# Altium PCB PCB_ESP_Dent.PcbDoc (part 2 of 2)
Units mil, origin at the board's own origin, x right, y up, seen from the top; angles counter-clockwise.
Board outline 3540 x 920 mil, 4 copper layers (L1, L2, L3, L4), stack 61.583 mil thick; 89 components, 67 nets, 316 pads, 178 vias.
Unrouted connection lines stored in the file: 1.
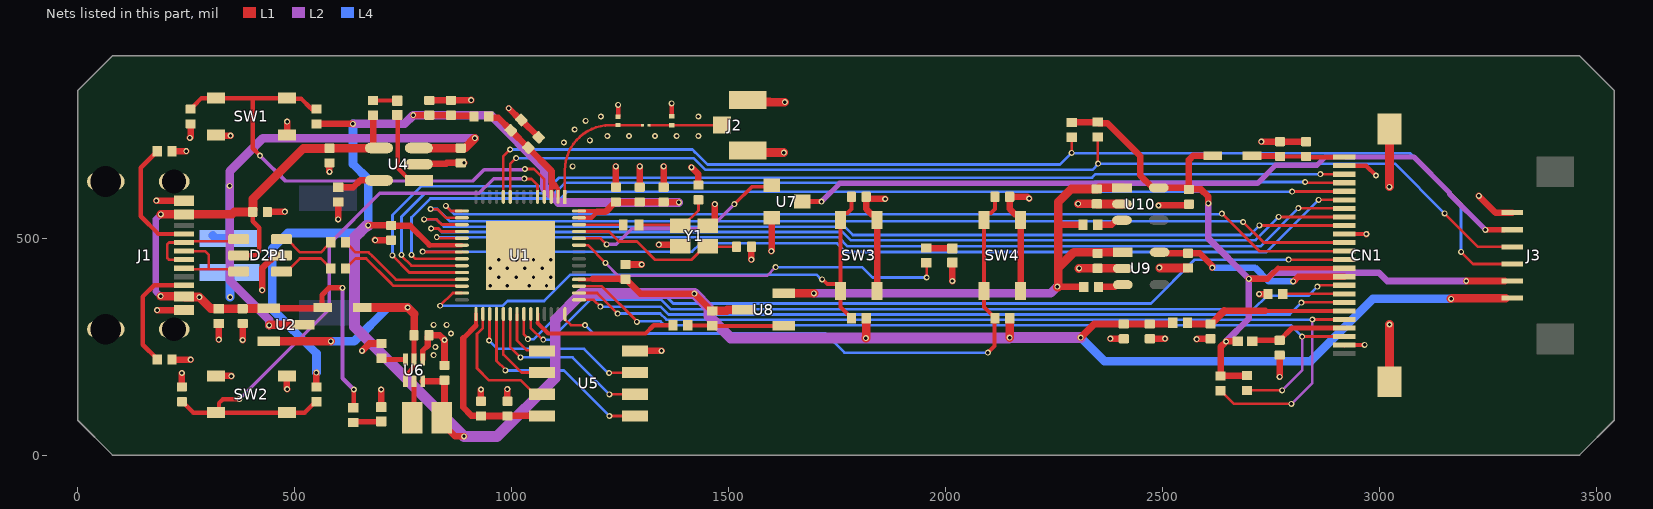
[diagram p4: the nets of this part, all layers, seen from the top]

## Part data (continued)
Y1: "Crystal, Quartz, 40 MHz, SMD, 2.5mm x 2mm x 0.6mm, 10 ppm, 8 pF, 10 ppm, ABM10W", ESR (Equivalent Series Resistance)=40Ω, Frequency=40MHz, Frequency Stability=10ppm, Frequency Tolerance=0.001%, LCSC Part No.=C1985328, Load Capacitance=8pF, Manufacturer=Abracon, Max Operating Temperature=70°C, Min Operating Temperature=-20°C, Supplier Part Number=535-13794-1-ND, Category=Crystals, China RoHS=Compliant, ComponentLink1Description=https://datasheet.octopart.com:443/ABM10W-40.0000MHZ-8-B1U-T3-Abracon-datasheet-182204671.pdf?src-supplier=IHS, ComponentLink1URL=https://datasheet.octopart.com:443/ABM10W-40.0000MHZ-8-B1U-T3-Abracon-datasheet-182204671.pdf?src-supplier=IHS, ComponentLink2Description=https://datasheet.octopart.com:443/ABM10W-40.0000MHZ-8-B1U-T3-Abracon-datasheet-104271056.pdf?src-supplier=Future+Electronics, ComponentLink2URL=https://datasheet.octopart.com:443/ABM10W-40.0000MHZ-8-B1U-T3-Abracon-datasheet-104271056.pdf?src-supplier=Future+Electronics, ComponentLink3Description=https://datasheet.octopart.com:443/ABM10W-40.0000MHZ-8-B1U-T3-Abracon-datasheet-101965223.pdf?src-supplier=Abracon+SCT, ComponentLink3URL=https://datasheet.octopart.com:443/ABM10W-40.0000MHZ-8-B1U-T3-Abracon-datasheet-101965223.pdf?src-supplier=Abracon+SCT, ComponentLink4Description=https://sigma.octopart.com:443/141159856/technical_drawing/Abracon-ABM10W-40.0000MHZ-8-B1U-T3.pdf?src-supplier=Abracon+SCT, ComponentLink4URL=https://sigma.octopart.com:443/141159856/technical_drawing/Abracon-ABM10W-40.0000MHZ-8-B1U-T3.pdf?src-supplier=Abracon+SCT, ComponentLink5Description=https://datasheet.octopart.com:443/ABM10W-40.0000MHZ-8-B1U-T3-Abracon-datasheet-189095939.pdf?src-supplier=Master+Electronics, ComponentLink5URL=https://datasheet.octopart.com:443/ABM10W-40.0000MHZ-8-B1U-T3-Abracon-datasheet-189095939.pdf?src-supplier=Master+Electronics, ComponentLink6Description=http://sigma.octopart.com:80/conflict_mineral_statement/Abracon-company-27.pdf?src-supplier=Compliance+Statements, ComponentLink6URL=http://sigma.octopart.com:80/conflict_mineral_statement/Abracon-company-27.pdf?src-supplier=Compliance+Statements, ESR=25Ω, Height=600µm, Length=2.5mm, Lifecycle Status=Production, Manufacturer Part Number=ABM10W-40.0000MHZ-8-B1U-T3, Mounting Technology="Surface Mount", Pricing="1=0.47, 10=0.406, 25=0.3836, 50=0.3678, 100=0.3526, 250=0.3334, 500=0.31962, 1000=0.31386 (USD)", REACH SVHC=Yes, RoHS=Compliant, Schedule B=8541600060|8541600060|8541600060|8541600060|8541600060, Stock=42549, Supplier=DigiKey, Tolerance=0.001%, Width=2mm

## Via types
v1: diameter 13.78, hole 7.87, L1 to L4, tented both sides, 175 vias
v2: diameter 13.78, hole 7.87, L1 to L4, tented top, 3 vias

## Nets (pads, with @x,y where several pads share a name; then routed paths per layer and width w, separated by ;. In a path a pad name is that pad's centre, name@x,y a point inside that pad or via, vN(x,y) a via of type N, cw(c..) or ccw(c..) an arc to the next point about the centre after c; other vN are vias at no path point)
1.8V: C37.2 CN1.10 U9.5 | length 458.9
  L1 w15: U9.5@2492.43,467.27 2493.55,466.15 2510.02,466.15 2511.15,465.02 C37.2@2558,465.02 ; C37.2@2559.2,465 2585,465 2614,436 v1(2614,432) ; v1(2800,400) 2801,400 2811.79,410.79 CN1.10@2917.84,410.79
  L4 w15: v1(2614,432) 2712.22,432 2744.22,400 v1(2800,400)
2.8V: C36.2 CN1.11 D6.2 FB1.1 J3.2 R6.2 R7.2 R21.1 R22.1 U10.5 | length 1931
  L1 w10: 2765.47,430.47 CN1.11@2917.84,430.47
  L1 w12: 2741,406 2765.47,430.47
  L1 w15: R7.2@2290,767.01 R6.2@2350,767.01 2352.11,764.89 2372.15,764.89 2448.19,688.85 2448.19,644.3 2476.74,615.75 C36.2@2555.07,615.75 ; C36.2@2558.82,612.01 2587.99,612.01 2605,595 v1(2605,580) ; C36.2@2560,614.63 2560,680 2570,690 D6.2@2614.72,690 ; R22.1@2633,182.01 2633,249 2646.38,262.38 FB1.1@2672.28,262.38 ; R22.1@2633.5,182.51 2693.5,182.51 R21.1@2694,183.01 ; v1(2698,406) 2741,406 ; v1(3199,401) J3.2@3287.77,401
  L2 w15: v1(2605,580) 2605,499 v1(2698,406) ; v1(2645.69,261.69) 2698,314 v1(2698,406) ; v1(3199,401) 3017,401 2997.61,420.39 2755.39,420.39 2741,406 v1(2698,406)
3V3: C8.2 C10.2 C14.2 C16.2 C18.2 C19.2 C23.2 C28.2 C31.2 C33.2 J3.1 L2.1 L4.2 R1.1 R10.2 R11.2 R13.2 R14.2 R23.1 U1.20 U1.46 U1.55 U1.56 U6.6 U8.3 | length 6772.5
  L1 w9: U1.46@1154.93,404.88 1185.15,404.88 1185.98,405.71 ; R13.2@1815.48,313.99 R13.2@1816.48,315 ; R14.2@2147.01,315 R14.2@2148.99,313.02
  L1 w10: 810.38,483.62 U1.20@885.07,483.62 ; U1.55@1154.93,546.61 1183.61,546.61 1197,560 ; U1.56@1154.93,562.36 1197,562.36
  L1 w13: 765.99,528.01 810.38,483.62
  L1 w15: R11.2@550,157.01 v1(550,190) ; R10.2@550,762.99 v1(634.01,762.99) ; v1(669.01,529.01) C23.2@722,529.01 ; C23.2@722,528.01 765.99,528.01 ; v1(773,783) C8.2@810,782.99 C10.2@860,782.99 861.5,781.5 911.5,781.5 L2.1@912.99,780 ; U6.6@794.68,169.8 842.24,169.8 C28.2@845,172.56 845,92.14 L4.2@838.86,86 838.86,73.8 869.65,43 v1(890,43) ; 1185.98,405.71 1249.28,405.71 ; 1197,560 1215.67,560 1238.67,582.99 C14.2@1239.85,582.99 C16.2@1294.85,582.99 C18.2@1349.85,582.99 ; 1250,405.6 1250.29,405.31 C19.2@1262,405.31 ; C19.2@1262,404.99 1263.18,404.99 1296.17,372 v1(1420.63,372) 1460.62,332.01 R1.1@1461.8,332.01 ; C18.2@1350.84,582 v1(1385,582)
  L1 w17: v1(2310.72,270.72) 2342.01,302.01 C33.2@2410,302.01 C31.2@2470,302.01 2520,302.01 R23.1@2522.99,305
  L1 w20: R1.1@1461.8,332.01 1462.43,332.64 1494.64,332.64 1497,335 U8.3@1533,335 ; v1(1815.98,269.5) 1816.48,270.01 R13.2@1816.48,315 ; v1(2147.01,270.72) R14.2@2147.01,315 ; v2(3164,360) 3165.57,361.57 J3.1@3290.27,361.57
  L2 w20: v1(634.01,762.99) 752.99,762.99 v1(773,783) 952.04,783 1075.12,659.92 1075.12,614.46 1107.58,582 v1(1385,582)
  L2 w25: v1(669.01,529.01) 665.01,529.01 637.4,501.4 637.4,295.6 v1(890,43) 966,43 1100.02,177.02 1100.02,311.26 1160.76,372 v1(1420.63,372) 1453.79,338.84 1453.79,320.29 1504.58,269.5 v1(1815.98,269.5) 2145.8,269.5 v1(2147.01,270.72) v1(2310.72,270.72)
  L4 w20: v1(550,190) 550,234 447.89,336.11 447.89,475.88 483.66,511.65 651.65,511.65 v1(669.01,529.01) 669.01,635.46 634.01,670.46 v1(634.01,762.99) ; v1(2310.72,270.72) 2365.32,216.11 2840.11,216.11 2984,360 v2(3164,360)
AVCC_2.8V: C32.2 CN1.4 FB1.2 | length 224.4
  L1 w12: FB1.2@2706.03,262.38 2708.03,264.39 C32.2@2769.15,264.39 2797.45,292.68 CN1.4@2917.84,292.68
BOOT: C17.2 R11.1 SW2.3 SW2.4 U1.5 | length 1425.3
  L1 w6: v1(1029,637) 1029.89,636.11 1044.89,636.11 1059.37,621.63 U1.5@1059.37,594.93
  L1 w10: C17.2@240,122.99 241.18,122.99 266.5,97.68 SW2.3@318.31,97.68 ; v1(372.42,128.79) 371.81,128.19 334.19,128.19 325.61,119.61 325.61,104.98 SW2.3@318.31,97.68 ; R11.1@550,122.99 547.99,122.99 522.68,97.68 SW2.4@481.69,97.68 SW2.3@318.31,97.68
  L2 w8: v1(372.42,128.79) 579.13,335.51 579.13,486.16 696.1,603.13 924.24,603.13 958.11,637 v1(1029,637)
D_N: D2.4 J1.A7 J1.B7 | length 240.7
  L1 w6.12: J1.A7@244.84,450.16 210.18,450.16 206.53,453.81 206.53,485.88 210.18,489.53 J1.B7@244.84,489.53 247.63,492.32 365.51,492.32 D2.4@370.59,497.4
D_P: D2.6 J1.A6 J1.B6 | length 242
  L1 w6.12: J1.A6@226,469.84 J1.A6@244.84,469.84 293.16,469.84 302,461 302,427.68 ; J1.B6@244.84,430.47 247.63,427.68 302,427.68 ; D2.6@370.59,422.6 365.51,427.68 302,427.68
Drain: J3.5 U7.3 | length 1730.9
  L1 w6.16: U7.3@1668.84,584 U7.3@1669,584
  L1 w12: U7.3@1669,584 v1(1713.47,584) ; v1(3243,519) J3.5@3286.27,519.03
  L2 w12: v1(1713.47,584) 1755.47,626 2718.23,626 2759.75,667.52 2855.06,667.52 2873.92,686.38 3078.62,686.38 3160.64,604.36 3160.64,601.36 v1(3243,519)
EN: C9.2 R10.1 SW1.3 SW1.4 U1.4 | length 1191.8
  L1 w6: v1(1030,659) 1051,659 1075.12,634.88 U1.4@1075.12,594.93
  L1 w10: C9.2@260,797.01 261.18,797.01 266.81,802.64 266.81,803.82 285.31,822.32 SW1.4@318.31,822.32 403,822.32 ; v1(420,690) 403,707 403,822.32 ; R10.1@550,797.01 538.82,797.01 535.69,800.14 515.24,820.59 483.43,820.59 SW1.3@481.69,822.32 437.5,822.32 403,822.32
  L2 w8: v1(420,690) 478.61,631.39 909.83,631.39 936,657.55 1024.47,657.55 1024.81,657.89 1028.89,657.89 v1(1030,659)
ESP_USB0_N: D2.3 R17.1 | length 136.3
  L1 w6.12: D2.3@469.41,497.4 481.61,497.4 511.9,467.12 560.11,467.12 574.3,481.3 575.48,481.3 582.99,488.82 R17.1@582.99,490
ESP_USB0_P: D2.1 R16.1 | length 136.3
  L1 w6.12: D2.1@469.41,422.6 481.61,422.6 511.9,452.88 560.11,452.88 574.3,438.7 575.48,438.7 582.99,431.18 R16.1@582.99,430
ESP_USB_N: R17.2 U1.25 | length 304.7
  L1 w6.12: R17.2@617.01,490 617.01,488.82 624.52,481.3 625.7,481.3 639.89,467.12 670.25,467.12 678.58,458.78 678.58,458.7 733.08,404.2 733.08,404.12 871.63,404.12 872.39,404.88 U1.25@885.07,404.88
ESP_USB_P: R16.2 U1.26 | length 304.7
  L1 w6.12: R16.2@617.01,430 617.01,431.18 624.52,438.7 625.7,438.7 639.89,452.88 664.35,452.88 664.35,452.81 718.85,398.31 718.85,398.23 727.19,389.89 871.63,389.89 872.39,389.13 U1.26@885.07,389.13
GND: C1.1 C2.1 C3.1 C4.1 C7.1 C8.1 C9.1 C10.1 C11.1 C12.1 C13.1 C14.1 C15.1 C16.1 C17.1 C18.1 C19.1 C20.1 C21.1 C22.2 C23.1 C24.1 C25.1 C26.1 C27.1 C28.1 C29.1 C30.1 C31.1 C32.1 C33.1 C34.1 C35.1 C36.1 C37.1 CN1.2 CN1.15 CN1.23 CN1.25 CN1.26 D2.2 D7.1 D8.1 J1.A1B12 J1.B1A12 J1.S1 J1.S2 J1.S3 J1.S4 J2.G1 J2.G2 J3.6 P1.2 R3.1 R4.2 R5.2 R12.1 R15.1 R20.1 SW1.1 SW1.2 SW2.1 SW2.2 SW3.1 SW3.2 SW4.1 SW4.2 U1.57 U4.2 U5.4 U6.1 U7.2 U9.2 U10.2 Y1.2 Y1.4 | length 3816.4
  L1 w10: C3.1@1245,779.35 v1(1245,807) ; C4.1@1368.5,782.4 v1(1368.5,810.05) ; CN1.2@2917.84,253.31 2918.18,253.65 2964.66,253.65 v1(2965,254) ; CN1.15@2917.84,509.21 v1(2968.79,509.21) ; CN1.23@2917.84,666.69 2968.31,666.69 v1(2991,644)
  L1 w12: U6.1@794.68,220.2 794.68,240.13 805.88,251.33
  L1 w15: v1(181.02,585.98) J1.A1B12@244.84,585.98 ; v1(183,334) J1.B1A12@244.84,334.02 ; R5.2@217.01,220 v1(260,220) ; R4.2@217.01,700 v1(250,700) ; C17.1@240,157.01 v1(240,189) ; v1(258.27,730.6) 260,732.33 C9.1@260,762.99 ; SW2.1@318.31,182.32 353.68,182.32 v1(354,182) ; SW1.2@318.31,737.68 319.98,736 v1(352,736) ; v1(325,266) R3.1@325,302.99 ; v1(380,265) C1.1@380,302.99 ; v1(425,380) 425,431.01 441.7,447.71 442.71,447.71 450.89,455.89 465.3,455.89 D2.2@469.41,460 ; C2.1@437.01,564 440.01,561 v1(477,561) ; SW2.2@481.69,182.32 481.69,152.8 v1(482.68,151.81) ; SW1.1@482.54,736.83 482.54,768.05 v1(482.68,768.19) ; v1(580,652.52) C7.1@580,672.99 ; v1(600,543) R12.1@600,582.99 ; v1(655,240) 672.01,257.01 R15.1@700,257.01 ; v1@684,496 v1(685.01,494.99) C23.1@722,494.99 ; D7.1@699,110.34 v1(699,151) ; U4.2@785.91,670 787.41,671.5 848.5,671.5 850,672.99 v1(890,673) ; 805.88,251.33 805.88,272.87 C25.1@809.01,276 834,276 v1(845,265) C28.1@845,206.57 ; C8.1@810,817.01 C10.1@860,817.01 906.01,817.01 v1(906.5,817.5) v1@907,818 ; C11.1@929,124.01 v1(929,151) ; C13.1@990,124.01 v1(990,152) ; v1(993,799) 1019.97,772.03 C15.1@1022.03,772.03 C12.1@1062.03,732.03 ; 1240,629.02 v1(1240,665) ; C19.1@1262,439.01 v1(1299.01,439.01) ; U5.4@1283.54,240 v1(1345,240) ; 1295,629.02 v1(1295,665) ; v1(1339,485) 1382.47,485 Y1.4@1387.06,480.41 ; 1350,629.02 v1(1350,665) ; v1(1414,663) 1430,647 C22.2@1430,622.01 ; Y1.2@1451.97,528.62 1458.86,528.62 1468.09,537.85 v1(1468.09,578.09) ; v1(1552.01,450.01) C26.1@1552.01,480 ; v1(1598,470) 1599.16,471.16 U7.2@1599.16,546.6 ; C21.1@1816.48,595 1816.48,567.01 1828.63,554.86 1836.5,554.86 1841.8,549.57 SW3.1@1841.8,541.69 SW3.2@1841.8,378.31 ; C21.1@1817.66,590 v1(1860,590) ; v1(2015,401) 2015.16,401.16 D8.1@2015.16,443.66 ; SW4.2@2172.32,378.31 2172.32,549.57 2167.03,554.86 2159.15,554.86 2147.01,567.01 C24.1@2147.01,595 2188,595 v2(2192,591) ; v1(2378.99,267.99) C33.1@2410,267.99 ; C31.1@2470,267.99 v1(2505,268) ; v1(2490,575) C36.1@2549.89,575 ; v1(2578,267) 2578.99,267.99 C30.1@2610,267.99 ; v1(2721.6,371) R20.1@2741.99,371 ; v1(2727.01,722.01) C29.1@2770,722.01 C27.1@2830,722.01 ; v1(2769.15,180.15) C32.1@2769.15,230.37 ; v1(2968.79,509.21) v1@2969,509 ; v2(3228,597) 3266.57,558.43 J3.6@3304.87,558.43
  L1 w20: J2.G1@1544,818.07 1548.67,813.4 1593.93,813.4 1594.34,813 v1(1629,813) ; J2.G2@1545,696.93 v1(1626.93,696.93) ; v1(2305,579) 2305.26,578.74 C35.1@2347.77,578.74 2348,578.52 2405.69,578.52 U10.2@2405.85,578.35 ; v1(2307,430) 2307.27,430.27 C34.1@2349.68,430.27 2349.91,430.04 2407.6,430.04 U9.2@2407.77,429.87 ; v1@2493,431 C37.1@2558,431 ; v1(3022,618) 3022.16,618.16 CN1.25@3022.16,751.34 ; CN1.26@3022.16,168.66 v1(3022.16,300.84)
  L4 w20: P1.2@350,420.63 351,419.63 v1(351,364)
  other v1: 820,230 824,249 860,280 820,300 850,300 950,390 990,390 1040,390 1080,390 970,410 1010,410 1050,410 1090,410 950,430 990,430 1030,430 1070,430 2492,432 970,450 1010,450 1050,450 1090,450 1140,665 1120,720 1180,725 1220,735 1270,735 1330,735 1380,735 1430,735 1145,750 1170,770 1205,780 1430,780
IO4/TOF_SCL: J3.4 R6.1 U1.9 | length 2548
  L1 w6.16: U1.9@996.38,594.93 996.38,670.46 1009.92,684 v1(1010,684) ; R6.1@2350,732.99 2350,672.25 v1(2350.87,671.38) ; v1(3149,557) 3226.31,479.68 J3.4@3304.87,479.68
  L4 w6.16: v1(1010,684) 1419,684 1445.84,657.16 2338.03,657.16 2352.25,671.38 3034.62,671.38 v1(3149,557)
IO5/TOF_SDA: J3.3 R7.1 U1.10 | length 2655.8
  L1 w6.16: U1.10@980.63,594.93 980.63,688.63 v1(996,704) ; v1(2290,696.38) R7.1@2290,732.36 ; v1(3187,468) 3214.69,440.32 J3.3@3304.87,440.32
  L4 w6.16: v1(996,704) 1416,704 1423.84,696.16 1424.04,696.16 1450.88,669.32 2262.94,669.32 v1(2290,696.38) ; v1@2290,695 3070,695 3187,578 v1(3187,468)
IO10/XMCLK: CN1.13 U1.15 | length 2155.8
  L1 w6.16: v1(848,574.09) 859.73,562.36 U1.15@885.07,562.36 ; v1(2636,556) 2722.08,469.92 2917.76,469.92 CN1.13@2917.84,469.84
  L4 w6.16: v1(848,574.09) 867.09,555 2635,555 v1(2636,556)
IO11/DVP_Y8: CN1.14 U1.16 | length 2217.2
  L1 w6.16: v1(813.1,566.9) 813.65,566.35 829.23,566.35 848.96,546.61 U1.16@885.07,546.61 ; v1(2685,537) 2732.47,489.53 CN1.14@2917.84,489.53
  L4 w6.16: v1(813.1,566.9) 828.68,566.9 857.23,538.35 2683.65,538.35 v1(2685,537)
IO12/DVP_Y7: CN1.16 U1.17 | length 2236
  L1 w6.16: v1(798,543) 826.78,543 838.64,531.14 884.8,531.14 U1.17@885.07,530.87 ; v1(2722.44,529.17) 2722.58,529.04 2917.7,529.04 CN1.16@2917.84,528.9
  L4 w6.16: v1(798,543) 826.78,543 843.59,526.19 1766.73,526.19 1785.76,507.16 2700.42,507.16 v1(2722.44,529.17)
IO13/DVP_PCLK: CN1.17 U1.18 | length 2211.1
  L1 w6.16: v1(814,522) 830.58,522 837.47,515.12 U1.18@885.07,515.12 ; v1(2766.84,548.58) CN1.17@2917.84,548.58
  L4 w6.16: v1(814,522) 830.58,522 838.55,514.03 1761.7,514.03 1780.73,495 2713.26,495 v1(2766.84,548.58)
IO14/DVP_Y6: CN1.18 U1.19 | length 2194.8
  L1 w6.16: v1(827.13,501.87) 829.19,501.87 831.69,499.37 U1.19@885.07,499.37 ; v1(2812.35,568.7) 2812.56,568.49 2917.62,568.49 CN1.18@2917.84,568.27
  L4 w6.16: v1(827.13,501.87) 1752.33,501.87 1773.2,481 2724.65,481 v1(2812.35,568.7)
IO15/DVP_Y2: CN1.19 U1.21 | length 2280.1
  L1 w6.16: v1(794.56,468.44) 795.13,467.87 U1.21@885.07,467.87 ; v1(2858.68,587.96) CN1.19@2917.84,587.95
  L4 w6.16: v1(794.56,468.44) 1415.44,468.44 1434.85,487.84 1749.16,487.84 1769.16,467.84 2738.56,467.84 v1(2858.68,587.96)
IO16/DVP_Y5: CN1.20 U1.22 | length 2380
  L1 w6.16: v1(769,461) 777.87,452.13 U1.22@885.07,452.13 ; v1(2798,607) 2798.32,607.32 2917.51,607.32 CN1.20@2917.84,607.64
  L4 w6.16: v1(769,461) 769,547.58 812.39,590.97 1112.01,590.97 1128.04,607 v1(2798,607)
IO17/DVP_Y3: CN1.21 U1.23 | length 2444.1
  L1 w6.16: v1(746,461) 746,458.94 768.56,436.38 U1.23@885.07,436.38 ; v1(2828,629) 2830.06,629 2831.74,627.32 CN1.21@2917.84,627.32
  L4 w6.16: v1(746,461) 746,549 800.13,603.13 1098.71,603.13 1122.58,627 2342.27,627 2344.27,629 v1(2828,629)
IO18/DVP_Y4: CN1.22 U1.24 | length 2501.5
  L1 w6.16: v1(725,459.94) 725,459.42 763.79,420.63 U1.24@885.07,420.63 ; v1(2863,647) CN1.22@2917.84,647.01
  L4 w6.16: v1(725,459.94) 725,553 791,619 1089.21,619 1109.37,639.16 2337.23,639.16 2345.07,647 v1(2863,647)
IO21/BTN1: C21.2 R13.1 SW3.3 SW3.4 U1.27 | length 1331.3
  L1 w6: v1(835,344) 864.39,373.39 U1.27@885.07,373.39
  L1 w9: v1(1715,405) 1716.29,405 1726.82,394.48 1748.86,394.48 SW3.4@1757.15,386.18 ; R13.1@1782.47,315 1782.47,316.18 1757.15,341.5 SW3.4@1757.15,378.31 SW3.4@1757.15,386.18 ; C21.2@1782.47,595 1782.47,567.01 1773.32,557.86 1765.45,557.86 1757.15,549.57 SW3.3@1757.15,541.69 SW3.4@1757.15,386.18
  L4 w6: v1(835,344) 979.38,344 990.37,355 1074.45,355 1134.45,415 1702.89,415 1712.89,405 v1(1715,405)
IO33/CAM_PWR: R2.1 U1.38 | length 350.6
  L1 w8: 1059.37,304.54 U1.38@1059.37,325.07
  L1 w10: 1059.37,304.54 1083.91,280 1308,280 1327.02,299.02 R2.1@1371.39,299.02
IO37/BTN2: C24.2 R14.1 SW4.3 SW4.4 U1.42 | length 1416.7
  L1 w6: U1.42@1122.36,325.07 1122.36,312.76 1135.99,299.12 v1(1168.72,299.12)
  L1 w9: SW4.3@2079.38,558.34 2079.38,557.86 2082.24,555 SW4.3@2082.72,555 ; v1(2097,236) 2112.09,251.09 R14.1@2112.09,317.09 ; R14.1@2112.99,315 2112.99,316.18 R14.1@2112.09,317.09 ; C24.2@2112.99,595 2112.99,567.01 2103.85,557.86 2095.97,557.86 2087.68,549.57 SW4.3@2087.68,541.69 SW4.4@2087.68,378.31 2087.68,341.5 R14.1@2112.09,317.09
  L4 w6: v1(1168.72,299.12) 1187.84,280 1722,280 1766,236 v1(2097,236)
IO38/DVP_VSYNC: CN1.7 U1.43 | length 1788.3
  L1 w6.16: U1.43@1154.93,357.64 1188.36,357.64 v1(1204,342) ; v1(2819,351) 2819.73,351.73 CN1.7@2917.84,351.73
  L4 w6.16: v1(1204,342) 1343,342 1361,324 2792,324 v1(2819,351)
IO39/CAM_SCL: CN1.5 R22.2 U1.44 | length 2178.9
  L1 w6.16: U1.44@1154.93,373.39 1196.61,373.39 v1(1244,326) ; R22.2@2633,147.99 2634.18,147.99 2664.17,118 v1(2796,118) ; v1@2844,312 v1(2844.36,312.36) CN1.5@2917.84,312.36
  L2 w6.16: v1(2796,118) 2844.36,166.36 v1(2844.36,312.36)
  L4 w6.16: v1(1244,326) 1341.8,326 1355.96,311.84 2843.84,311.84 v1(2844.36,312.36)
IO40/CAM_SDA: CN1.3 R21.2 U1.45 | length 2036.6
  L1 w6.16: U1.45@1154.93,389.13 1207.1,389.13 1288,308.24 v1(1288,307) ; R21.2@2694,148.99 v1(2774.95,148.99) ; v1(2821,273) 2852,273 CN1.3@2917.84,272.99
  L2 w6.16: v1(2774.95,148.99) 2821,195.05 v1(2821,273)
  L4 w6.16: v1(1288,307) 1289,308 1342.61,308 1351.59,299.02 2794.98,299.02 v1(2821,273)
IO45/LED_Status: R19.2 U1.51 | length 883.3
  L1 w6: R19.2@1955.16,442.99 1956,442.15 v1(1956,409)
  L1 w6.16: U1.51@1154.93,483.62 1175.38,483.62 v1(1216,443)
  L2 w6.16: v1(1216,443) 1216,442.29 1245.29,413 1588,413 v1(1608,433)
  L4 w6.16: v1(1608,433) 1807,433 1831,409 v1(1956,409)
IO46/LED_Ctrl: U1.52 U7.1 | length 506.5
  L1 w6.16: U1.52@1154.93,499.37 1204.63,499.37 v1(1218.77,485.23)
  L1 w8: v1(1513,578) 1553.38,618.38 1596.13,618.38 U7.1@1599.16,621.4
  L2 w8: v1(1218.77,485.23) 1240.24,485.23 1276.01,521 1456,521 v1(1513,578)
IO47/DVP_HREF: CN1.9 U1.37 | length 1987.8
  L1 w6.16: U1.37@1043.62,325.07 1043.62,292.82 1070.44,266 v1(1072.5,266) ; v1(2856,388) 2858.06,388 2861.61,391.55 2917.39,391.55 CN1.9@2917.84,391.1
  L4 w6.16: v1(1072.5,266) 1089,266 1180.97,357.97 1344.23,357.97 1348.04,354.16 1366.04,336.16 2709.34,336.16 2740.15,366.97 2834.97,366.97 v1(2856,388)
IO48/DVP_Y9: CN1.12 U1.36 | length 2036.1
  L1 w6.16: U1.36@1027.87,325.07 1027.87,278.19 1037,269.06 v1(1037,267) ; v1(2790,450) 2790.08,450.08 2917.76,450.08 CN1.12@2917.84,450.16
  L4 w6.16: v1(1037,267) 1050.92,267 1154.05,370.13 1350.87,370.13 1372,349 2472.4,349 2573.4,450 v1(2790,450)
LNA: C3.2 L1.1 U1.1 | length 299
  L1 w6.13: U1.1@1122.36,594.93 1122.36,656.07 cw(c1226.29,656.07) 1226.29,760 1245,760 L1.1@1300.85,760
NetC4_2: C4.2 J2.SIG L1.2 | length 165.8
  L1 w6.16: L1.2@1318.2,760 1372.43,760 J2.SIG@1483.96,760
NetC12_2: C12.2 C15.2 L2.2 U1.2 U1.3 | length 292.3
  L1 w10: U1.3@1090.87,594.93 1090.87,624.92 ; 1100,619.84 1106.61,613.23 U1.2@1106.61,594.93
  L1 w15: L2.2@947.01,780 949.67,777.34 968.61,777.34 C15.2@997.97,747.97 C12.2@1037.97,707.97 1091.62,654.33 1091.62,628.22 1100,619.84
NetC22_1: C22.1 L3.2 Y1.1 | length 176.3
  L1 w6.16: L3.2@1293.11,530 1386.65,530 Y1.1@1388.03,528.62 1394.92,528.62 1430,563.7 C22.1@1430,587.99
NetC27_2: C27.2 C29.2 CN1.24 D6.1 | length 214.2
  L1 w10: C29.2@2770,687.99 C27.2@2830,687.99 ; C27.2@2830,686.38 CN1.24@2917.84,686.38
  L1 w13: D6.1@2705.28,690 2716,690 2718,688 2719,689 2769,689 C29.2@2770,687.99
NetC30_2: C30.2 CN1.6 R23.2 | length 376.4
  L1 w6.16: 2640.04,332.05 2641.44,332.05
  L1 w10: 2736.36,332.05 CN1.6@2917.84,332.05
  L1 w12: C30.2@2610,302.01 2614.63,306.64 C30.2@2616.03,306.64
  L1 w15: 2641.44,332.05 2736.36,332.05
  L1 w17: R23.2@2557.01,305 2557.01,304.14 2559.14,302.01 C30.2@2610,302.01 ; C30.2@2616.03,306.64 2641.44,332.05
NetC34_2: C34.2 C35.2 R24.1 R25.1 U8.2 U9.1 U10.1 | length 1277.5
  L1 w15: v1(2257,388) R24.1@2316.95,388 ; 2259,530.97 R25.1@2315.55,530.97
  L1 w20: U8.2@1627,372.5 v1(1696.14,372.5) ; v1@2257,387.27 v1@2259,387.27 ; v1(2257,388) 2259,390 2259,431 ; R25.1@2315.55,530.97 R25.1@2315.76,530.75 ; U10.1@2405.85,615.75 2351.94,615.75 2348.95,612.76 2288.76,612.76 2259,583 2259,530.97 2259,431 ; U9.1@2407.77,467.27 2353.86,467.27 2350.87,464.28 C34.2@2349.68,464.28 2347.01,466.96 2294.96,466.96 2259,431
  L2 w20: v1(1696.14,372.5) 2241.5,372.5 v1(2257,388)
NetCN1_8: CN1.8 R20.2 | length 142
  L1 w6.16: R20.2@2776.01,371 2776.43,371.42 CN1.8@2917.84,371.42
NetD3_1: D3.1 U4.1 | length 183.5
  L1 w10: D3.1@736,783.66 737.34,782.33 737.34,661.09 765.83,632.6 U4.1@785.91,632.6
NetD3_2: D3.2 R9.1 | length 56.3
  L1 w10: R9.1@680,817.01 680.33,816.67 735.67,816.67 D3.2@736,816.34
NetD7_2: D7.2 R18.1 | length 65.1
  L1 w13: R18.1@636.33,76.33 D7.2@697.67,76.33
  L1 w15: R18.1@635,74.99 R18.1@636.33,76.33 ; D7.2@697.67,76.33 D7.2@699,77.66
NetD8_2: D8.2 R19.1 | length 60.3
  L1 w15: R19.1@1955.16,477.01 1955.49,476.67 2014.82,476.67 D8.2@2015.16,476.34
NetJ1_A5: J1.A5 R4.1 | length 283.2
  L1 w10: R4.1@182.99,700 182.99,698.82 177.36,693.19 176.18,693.19 145,662.01 145,550 185.79,509.21 J1.A5@244.84,509.21
NetJ1_B5: J1.B5 R5.1 | length 264.3
  L1 w10: R5.1@182.99,220 182.99,221.18 150,254.17 150,365 176.1,391.1 J1.B5@244.84,391.1
NetL4_1: L4.1 U6.5 | length 85.4
  L1 w11.5: L4.1@771.14,86 775,89.86 U6.5@775,169.8
NetR1_2: R1.2 R2.2 U8.1 | length 221.5
  L1 w9: R2.2@1405.4,299.02 1405.92,298.51 1461.29,298.51 R1.2@1461.8,297.99 ; R1.2@1462.3,297.5 U8.1@1627,297.5
NetR12_2: R12.2 U4.5 | length 100.5
  L1 w15: R12.2@600,617.01 634.75,617.01 650.34,632.6 U4.5@694.09,632.6
NetR15_2: R15.2 U6.3 | length 56.5
  L1 w11.5: R15.2@700,222.99 702.79,220.2 U6.3@755.31,220.2
NetR24_2: R24.2 U9.3 | length 58.2
  L1 w15: R24.2@2351.69,387.27 2388.66,387.27 2392.74,391.35 2406.64,391.35 U9.3@2407.77,392.47
NetR25_2: R25.2 U10.3 | length 60.3
  L1 w15: R25.2@2349.78,530.75 2382.04,530.75 2390.97,539.68 2404.59,539.68 U10.3@2405.85,540.95
SPICLK: U1.33 U5.6 | length 200
  L1 w6.16: U1.33@980.63,325.07 980.63,231.74 1022.37,190 U5.6@1070,190
SPICS0: U1.32 U5.1 | length 480.3
  L1 w6.16: U1.32@964.88,325.07 964.88,217.18 985,197.06 v1(985,195) ; v1(1225,90) U5.1@1283.54,90
  L4 w6.16: v1(985,195) 1120,195 v1@1224.87,90.13
SPID: U1.35 U5.5 | length 129
  L1 w6.16: U1.35@1012.13,325.07 1012.13,263.87 1034.35,241.65 1068.35,241.65 U5.5@1070,240
SPIHD: U1.30 U5.7 | length 305.6
  L1 w6.16: U1.30@933.39,325.07 933.39,292.78 920,279.39 920,200 948,172 1021,172 1043.06,149.94 1043.06,149.72 1052.78,140 U5.7@1070,140
SPIQ: U1.34 U5.2 | length 408.6
  L1 w6.16: U1.34@996.38,325.07 996.38,248.62 v1(1020,225) ; v1(1225,140) U5.2@1283.54,140
  L4 w6.16: v1(1020,225) 1140,225 v1(1225,140)
SPIWP: U1.31 U5.3 | length 428.6
  L1 w6.16: v1(948,264) 948.86,264.86 948.86,324.8 U1.31@949.13,325.07 ; v1(1224.22,189) 1224.72,189.5 1283.04,189.5 U5.3@1283.54,190
  L4 w6.16: v1(948,264) 967.39,244.61 1166.55,244.61 1222.16,189 v1(1224.22,189)
TYPE-C_5V: C1.2 C2.2 C7.2 D1.2 D2.5 J1.A4B9 J1.B4A9 R3.2 R9.2 R18.2 U2.1 U4.4 | length 1759.6
  L1 w10: D2.5@370.59,460 409.21,460 417.99,468.79 417.99,523.62 402.99,538.62 C2.2@402.99,564 ; R18.2@636,110.01 v1(636,151)
  L1 w12: D1.2@562.72,338 562.72,369 579,385.28 v1(610,385.28)
  L1 w15: U2.1@440,338 498.44,338 562.72,338 D1.2@564.72,340 ; R9.2@681.18,782.99 681.18,711.71 685.49,707.4 U4.4@694.09,707.4
  L1 w20: v1(191,366) 191.49,365.51 J1.B4A9@244.84,365.51 246.35,364 v1(280.21,364) 306.57,337.64 324.37,337.64 R3.2@325,337.01 C1.2@380,337.01 380.5,337.5 439.5,337.5 U2.1@440,338 ; v1(191.49,554.49) J1.A4B9@244.84,554.49 355.49,554.49 361,560 C2.2@402.99,560 ; C2.2@402.99,564 403.62,564.63 403.62,590.62 519.38,706.38 579.17,706.38 580,707.2 U4.4@680,707.2
  L2 w10: v1(610,385.28) 610,177 v1(636,151)
  L2 w15: v1(191,366) 180,377 180,543 v1(191.49,554.49)
VBAT: C20.2 P1.1 U2.3 U4.3 | length 1369.1
  L1 w20: v1(441,299) 442,300 U2.3@520,300 ; U4.3@786.31,707.01 892.01,707.01 v1(915,730)
  L2 w20: v1(441,299) 441,311.37 350,402.37 v1(350,620) 350,653.79 426.21,730 v1(915,730)
  L4 w20: P1.1@311,506 317.63,499.37 P1.1@350,499.37 v1(350,620)
VDD_SPI: C11.2 C13.2 U1.29 U5.8 | length 417.7
  L1 w10: 917.64,298.36 U1.29@917.64,325.07
  L1 w12: 888,268.72 917.64,298.36
  L1 w15: 888,268.72 888,109.85 907.08,90.77 928.22,90.77 C11.2@929,89.99 C13.2@990,89.99 U5.8@1070,90
VIN: C25.2 D1.1 U2.2 U6.2 U6.4 | length 643.6
  L1 w9: U6.4@755.31,169.8 756.32,170.82 756.32,184.87 773.99,202.54 773.99,219.19 U6.2@775,220.2
  L1 w12: U6.2@775,220.2 C25.2@775,277.99
  L1 w17: C25.2@774.99,276 774.99,325.01
  L1 w20: U2.2@440,262 v1(583,262) ; D1.1@655.28,340 v1(760,340) 774.99,325.01
  L4 w20: v1(583,262) 637,262 715,340 v1(760,340)
XTAL_N: C26.2 U1.53 Y1.3 | length 403.6
  L1 w6.16: U1.53@1154.93,515.12 1223.89,515.12 1247.01,492 1288,492 1330,450 1413.7,450 1445.08,481.38 Y1.3@1451.97,481.38 1453.35,480 C26.2@1517.99,480
XTAL_P: L3.1 U1.54 | length 102.3
  L1 w6.16: U1.54@1154.93,530.87 1256.02,530.87 L3.1@1256.89,530
pads on no net: CN1.1 J1.A8 J1.B8 J3.SH1 J3.SH2 P1.S1 P1.S2 U1.6 U1.7 U1.8 U1.11 U1.12 U1.13 U1.14 U1.28 U1.39 U1.40 U1.41 U1.47 U1.48 U1.49 U1.50 U9.4 U10.4

## Polygon pours and split planes (outlines as drawn)
GND on L4 "GND_L04_P008" (solid, pour order 8): 300.7,427.74 317.49,410.95 317.49,382.1 347.16,354.7 354.21,354.7 360.7,361.19 386.4,386.89 386.99,416.37 402.7,428.06
VBAT on L4 "VBAT_L04_P006" (solid, remove dead copper, pour order 6): 290.8,514.73 346.8,578.73 356.52,578.73 401.8,514.73
2.8V on L1 "2.8V_L01_P014" (solid, remove dead copper, pour order 14): 2361,749 2414,696 2414,690 2440,664 2440,626 2463,603 2465,603 2469,599 2581,599 2591,589 2591,580 2599,572 2608,572 2628,592 2628,667 2645,684 2645,704 2628,721 2519,721 2455,785 2254,785 2254,756 2261,749 2307,749
TYPE-C_5V on L1 "TYPE-C_5V_L01_P013" (solid, remove dead copper, pour order 13): 289.63,564.63 299.63,574.63 329.63,574.63 344.63,589.63 364.63,589.63 389.63,614.63 389.63,619.63 489.63,719.63 644.63,719.63 659.63,734.63 659.63,744.63 669.5,754.5 680.81,754.5 685.68,749.63 694.63,749.63 709.63,734.63 714.63,734.63 736.97,712.3 736.97,690.69 720.91,674.63 649.63,674.63 634.63,689.63 539.63,689.63 535,685 535,620 494.63,579.63 429.63,579.63 414.63,564.63 414.63,550.26 406.83,540.06 289.61,539.93 283.2,548.2
VIN on L1 "VIN_L01_P011" (solid, remove dead copper, pour order 11): 630,350 630,325 645,325 650,320 650,285 660,275 725,275 730,270 730,245 735.09,239.91 754.5,239.91 774.2,220.2 783.99,220.2 788.24,224.46 788.24,258.24 795,265 795,295 804.19,304.19 804.19,350.81 785,370 675,370 660,355 635,355
3V3 on L1 "3V3_L01_P000" (solid, pour order 0): 785,187 785,152.06 811.32,125.74 811.32,52.68 831.34,32.66 900,32.66 900,53 889.66,53 867.53,75.13 867.53,170.91 851.44,187
TYPE-C_5V on L1 "TYPE-C_5V_L01_P010" (solid, remove dead copper, pour order 10): 405,355 405,320 410,315 420,315 425,320 580,320 595,335 595,355 605,365 625,365 640,380 640,395 635,400 625,400 465,400 450,385 450,380 435,365 415,365
GND on L1 "GND_L01_P002" (solid, remove dead copper, pour order 2): 788.24,206 797.52,196.72 856.03,196.72 863.97,204.66 866.65,204.66 867,205 867,293 850,310 810,310 798.38,298.38 798.38,253.05 788.24,242.92
3V3 on L1 "3V3_L01_P005" (solid, remove dead copper, pour order 5): 1218.5,582.5 1218.5,593.5 1220.5,595.5 1371.5,595.5 1374.5,592.5 1391.5,592.5 1398.5,585.5 1398.5,582.5 1398.5,573.5 1393.5,568.5 1387.5,568.5 1384.5,565.5 1243.5,565.5 1224.5,546.5 1223.5,546.5 1188,547 1188,558 1188,567.18 1204.7,568.7
3V3 on L2 "3V3_L02_P015" (solid, remove dead copper, pour order 15): 695.5,600 1540,600 1760.07,379.93 1840.07,379.93 1920.07,299.93 2338.58,299.93 2360,278.5 2360,121.35 2278.58,39.93 1938.58,39.93 1918.58,19.93 838.58,19.93 778.58,79.93 738.58,79.93 623.68,194.82 620.11,530.02
GND on L3 (split plane): 3519.9,831.68 3519.9,88.32 3451.68,20.1 88.32,20.1 20.1,88.32 20.1,831.68 88.32,899.9 3451.68,899.9

## Other copper
L1:
  pour cut-out: 1453.45,848.58 1453.45,671.42 1614.87,671.42 1614.87,848.58
  pour cut-out: 670,420 720,370 850,370 860,380 870,380 880,390 880,413 747,413 670,490 496.76,490 496.76,420

## Silkscreen, mask and mechanical layers (free items; w line width, h text height)
Top Overlay:
  lines w10: 4179,189.61 4529,189.61 4529,539.61 4179,539.61 4179,189.61 ; 5413.06,-877.52 5413.06,-720.04 5885.5,-720.04 5885.5,-877.52 5413.06,-877.52 ; 5471.83,1760.27 5471.83,2114.61 5826.16,2114.61 5826.16,1760.27 5471.83,1760.27 ; 5531.05,-720.04 5531.05,1760.28 5767.27,1760.28 5767.27,-720.04 5531.05,-720.04
  text "EN" at 370,860 h43.31
  text "BOOT" at 340,30.52 h43.31
Board Shape:
  the board outline again, w20

## Text inside footprints (layer, text, board x,y; h text height)
CN1: Top Overlay "1" at 2895,137 h40 r90; Top Overlay "24" at 2903,724 h40 r90